# Allegro board reComputer J401_V1.0.brd (continued)
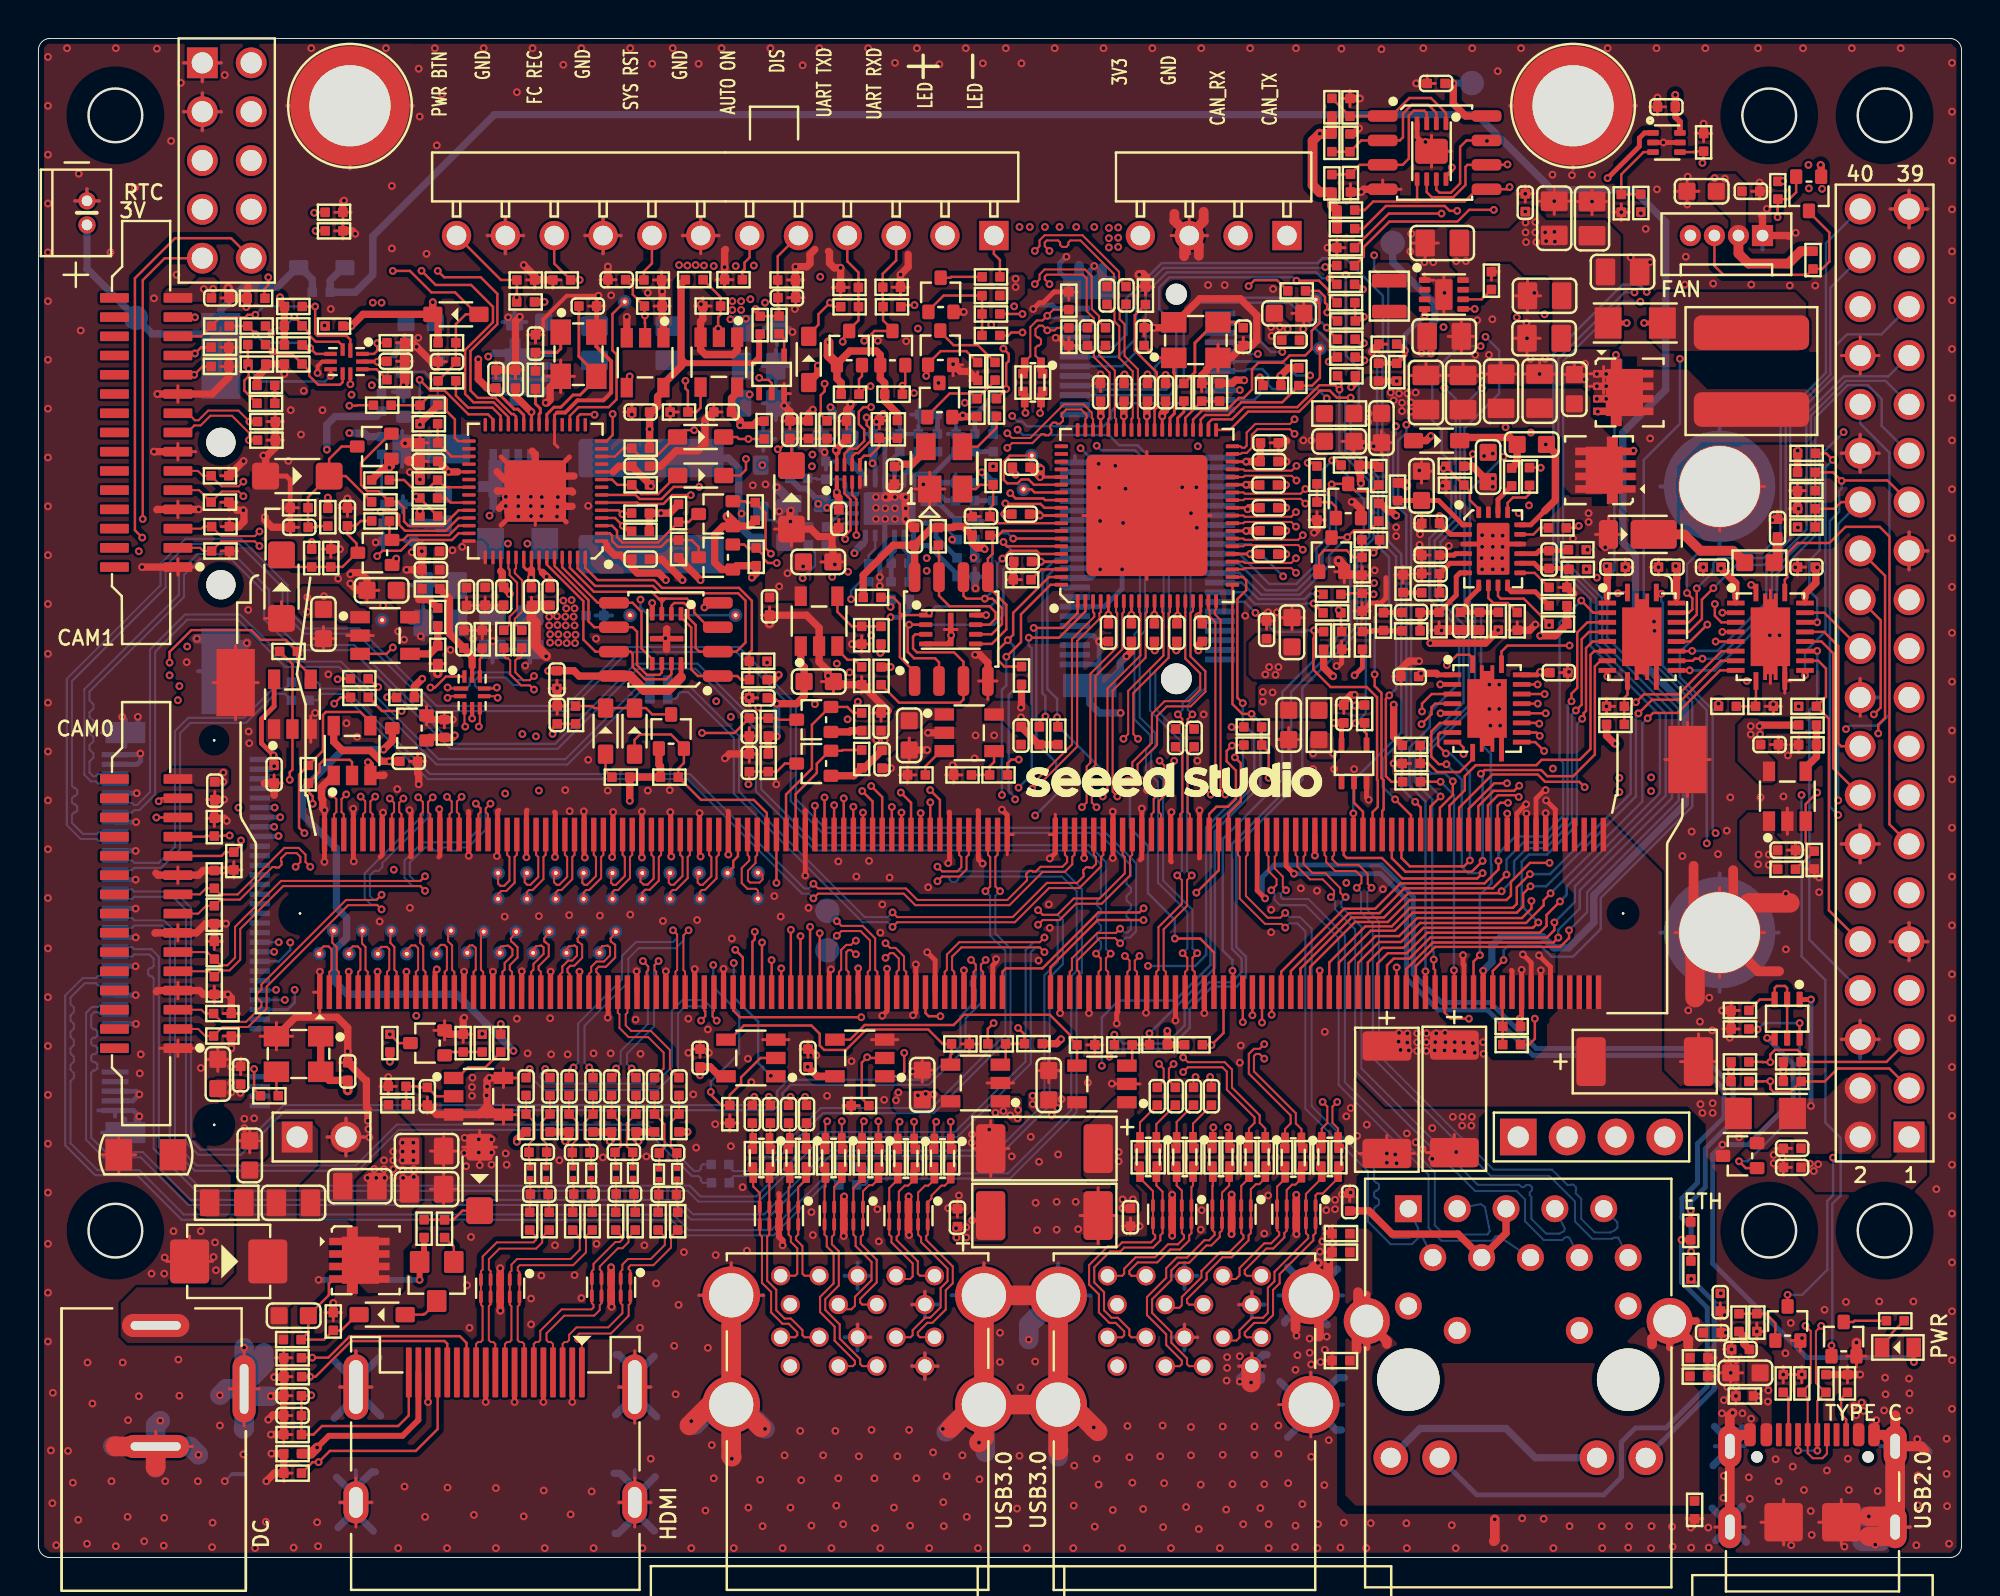
[diagram p0: board, top side]
## Routing (per net, layer and track width the routed paths; a pad name or vN(x,y) marks a point on that pad's centre or on a via; arc(x,y) is an arc through that point) (continued)
VBUS_A_EN: length 14.8
  TOP w0.127: U14.4 47.43,26.14 47.48,26.19 R74.1 47.02,26.71 46.27,27.46 43.06,27.46 41.99,26.4 40.85,26.4 40.63,26.63 40.63,27.24 40.19,27.67 36.68,27.67 35.94,26.93 U17.4
VBUS_B_EN: length 14.9
  TOP w0.127: U12.4 42.2,26.93 42.96,27.69 47.59,27.69 48.12,28.23 52.59,28.23 53.64,27.18 53.64,27.03 R70.1 54.01,26.22 54.01,26.22 U13.4
VBUSDET: length 2.8
  TOP w0.127: U28.43 59.64,59.27 60.5,60.14 ; R179.2 60.5,60.14 ; 60.5,60.14 R178.2
VCC1_5V_DC1: length 20.4
  LAY3 w0.381: v1(48.63,52) 48.63,52.94 48.88,53.19 48.88,55.75 49.05,55.92 v1(49.05,56.44)
  LAY4 w0.381: v1(49.05,56.44) 48.97,56.36 43.92,56.36 v1(43.37,56.9) 42.85,56.9 42.16,56.22 39.94,56.22 39.35,56.81 v1(37.64,56.81)
  BOTTOM w0.254: v1(43.37,56.9) 43.51,56.76 U9.2
  BOTTOM w0.381: R77.1 49.24,56.28 49.21,56.28 v1(49.05,56.44) ; D56.1 v1(37.64,56.81) ; C26.1 43.39,56.93 v1(43.37,56.9) ; R82.2 48.64,51.98 v1(48.63,52) 48.63,52.87 R35.1
VCC1_5V_DC2: length 22.9
  TOP w0.254: U10.2 73.43,53.21 C123.1
  TOP w0.381: v1(72.38,47.56) 75.24,47.56 R251.1 v1(75.9,48.24) ; v1(72.4,58.33) 72.16,58.08 D58.1 ; C123.1 v1(72.86,54.16) ; R252.2 R198.1 78.87,47.94 v1(78.09,47.94)
  LAY3 w0.381: v1(72.4,58.33) 72.4,55.14 72.86,54.68 v1(72.86,54.16) 72.38,53.68 v1(72.38,47.56)
  LAY4 w0.381: v1(78.09,47.94) 76.2,47.94 v1(75.9,48.24)
VCC2_DC1: length 3.8
  BOTTOM w0.254: 42.71,56.5 43.01,56.2 U9.1
  BOTTOM w0.381: 42.71,56.5 42.2,57 C183.1 42.2,59.41 R66.2
VCC2_DC2: length 4.1
  TOP w0.254: U10.1 74.07,53.71 72.8,54.97 C180.1 71.22,54.97 71.21,54.97 R249.2
VDD_1V05: length 7.7
  TOP w0.305: v1(70.63,61.18) 70.63,61.18 C141.1
  BOTTOM w0.381: v1(72.4,62.62) 72.4,63.14 72.48,63.22 72.48,64.17 72.61,64.29 72.61,65.18 70.42,67.37 TP42.1
  vias: v1(69.18,59.49) v1(69.15,59.06) v1(71.92,62.64)
VDD_1V05_FB: length 5
  TOP w0.254: U38.4 v1(72.08,64.6) ; C141.2 69.68,62.11 R194.2 71.06,62.53 v1(71.06,62.77) 71.06,62.8 70.75,63.1 R199.1
  BOTTOM w0.254: v1(72.08,64.6) 71.06,63.57 v1(71.06,62.77)
VDD_1V05_HUB: length 18.9
  TOP w0.152: U28.67 v1(52.08,54.19) ; v1(56.44,59.35) U28.51 ; v1(55.64,49.03) U28.5 ; v1(62.8,53.39) U28.27 ; v1(62.88,54.52) 62.8,54.59 U28.30 ; v1(62.8,55.79) U28.33 ; U28.11 58.04,49.04 v1(58.03,49.03) ; v1(57.64,59.35) U28.48 ; U28.14 v1(59.24,48.98) ; U28.8 v1(56.84,49.03) ; v1(62.8,56.99) U28.36 ; v1(55.24,59.35) U28.54
  TOP w0.381: v1(52.08,54.19) 52.01,54.26 C114.1 ; C120.1 63.49,55.79 62.8,55.79 v1(62.8,55.79) ; C115.1 62.95,54.59 v1(62.88,54.52) ; v1(55.64,49.03) 55.64,49.03 C81.1 ; C137.1 55.24,60.13 v1(55.24,59.35) 55.24,59.35 ; v1(58.03,49.03) C83.1 ; v1(56.84,49.03) 56.83,49.03 C82.1 ; C109.1 62.81,53.4 v1(62.8,53.39) ; 57.64,59.35 v1(57.64,59.35) 57.64,60.11 C139.1 ; v1(59.24,48.98) 59.2,48.94 C84.1 ; v1(62.8,56.99) 62.8,57 C126.1 63.55,57.01 C127.1 ; C138.1 56.44,60.13 v1(56.44,59.35) 56.44,59.35
  LAY4 w0.381: v1(55.24,59.35) v1(56.44,59.35)
  vias: v1(65.77,58.1) v1(66.2,58.1)
VDD_1V8: length 144
  TOP w0.203: v1(73.49,72.3) 73.49,72.14 73.19,71.84 U41.8 ; U30.1 v1(41.51,55.4)
  TOP w0.254: 72.72,45.94 72.76,45.91 U19.2 ; 81.58,49.94 U37.2 ; 88.26,49.94 U21.2 ; U16.5 67.76,43.29 C74.2
  TOP w0.305: C196.2 85.12,74.91 85.35,74.67 U11.6
  TOP w0.381: C111.2 41.62,55.13 41.51,55.23 v1(41.51,55.4) ; R159.1 81.54,42.74 81.95,42.32 v1(82,42.32) ; 81.58,49.94 81.58,50.92 81.59,50.94 C90.2 v1(81.54,51.56) ; v1(70.47,44.36) 70.47,42.69 R96.1 ; R104.1 89.55,43.29 v1(89.5,43.24) ; v1(90.72,71.58) 90.7,71.57 R218.1 ; R108.1 19.55,45.29 v1(19.96,45.7) ; R167.1 44.66,59.5 44,60.16 R176.1 44,61.08 43.77,61.31 Q28.1 43.77,62.54 43.57,62.75 42.19,62.75 41.52,62.07 ; Q33.1 92.7,72.39 v1(92.67,72.42) ; C77.2 71.77,45.86 v1(71.89,45.98) 72.68,45.98 72.72,45.94 ; C74.2 v1(67.36,43.41) ; C168.1 v1(73.58,76.66) 73.57,76.66 73.57,75.61 74.21,74.97 U40.8 ; R110.1 v1(87.36,44.41) ; v1(37.1,50.96) 37.32,51.19 R132.1 36.3,51.58 Q18.1 35.53,51.38 35.17,51.75 35.17,53.19 35.6,53.63 Q21.1 36.97,53.63 R141.1 ; v1(87.49,51.44) 88.26,50.67 88.26,49.94 ; R10.1 v1(18.27,25.79) ; C196.2 v1(85.12,76.07) ; v1(67.32,45.83) 67.29,45.86 67.27,45.86 66.83,46.3 R124.1 ; Q27.1 41.52,61.31 41.74,61.09 R175.1
  TOP w0.508: Q21.1 36.11,53.85 v1(35.83,54.13) ; Q27.1 41.52,62.07 41.08,62.51 v1(41.08,63.2) ; R234.1 R236.1 67.26,70.34 R239.1 66.63,71 66.26,71.37 66.26,73.68 v1(66.63,74.05) 66.64,74.03 R241.1 R244.1
  LAY3 w0.381: v1(7.73,47.38) 10.15,44.97 10.15,40.52 11.14,39.53 11.14,36.61 12.66,35.08 14.29,35.08 16.34,33.03 16.34,32.21 16.7,31.86 16.7,26.84 17.75,25.79 v1(18.27,25.79)
  LAY3 w0.508: v1(50.81,66.07) 42.94,66.07 41.08,64.22 v1(41.08,63.2) 40.71,63.2 39.62,62.11 39.62,56.46 40.09,55.99 40.93,55.99 v1(41.51,55.4) ; v1(35.24,44.53) 35.5,44.79 35.5,49.49 36.97,50.96 v1(37.1,50.96)
  LAY4 w0.381: 19.98,46.59 19.96,46.57 19.96,46.16 ; 19.96,46.16 20.38,46.59 ; 19.96,46.16 19.96,46.15 ; 19.96,46.15 v1(19.96,45.7) ; 19.96,46.15 19.52,46.59
  LAY4 w0.508: v1(35.24,44.53) 25.41,44.53 23.35,46.59 8.52,46.59 v1(7.73,47.38) ; v1(41.51,55.4) 39.2,55.4 38.85,55.05 36.25,55.05 35.83,54.63 v1(35.83,54.13)
  BOTTOM w0.381: v1(73.58,76.66) 73.59,76.68 TP30.1
  vias: v1(50.81,66.5) v1(82.21,40.55) v1(82.21,39.81) v1(83.86,40.57) v1(83.86,39.86) v1(89.04,43.24) v1(89.04,42.81) v1(89.52,42.81) v1(92.04,72.42) v1(92.06,71.2) v1(92.75,71.18)
VDD_1V8_FB: length 2.7
  TOP w0.381: R98.1 92.45,41.64 91.89,41.08 U15.4 ; R98.1 92.45,42.28 ; R98.1 R104.2
VDD_3V3_HDMI: length 45.3
  TOP w0.381: v1(30.75,39.35) R83.1 R84.1 32.34,41.15 32.26,41.23 Q15.1 ; v1(21.65,42.76) 21.55,42.65 R101.1 20.34,42.65 Q16.1 ; Q17.1 42.18,42.94 42.24,43 R105.1 ; v1(43.78,47.05) 43.81,47.09 R123.1 ; Q14.1 42.4,40.66 R93.1 42.96,41.07 C63.1
  LAY3 w0.381: v1(21.65,42.76) 21.65,41.8 23.72,39.73 v1(24.27,39.73) ; v1(43.78,47.05) 43.78,46.53 43.57,46.32 v1(43.57,42.53)
  LAY4 w0.381: v1(24.27,39.73) 24.65,39.35 31.03,39.35 ; v1(30.75,39.35) 31.02,39.35 31.03,39.35 ; 31.03,39.35 36.31,39.35 37.6,38.06 42.99,38.06 43.81,38.88 43.81,41.44 44,41.64 v1(44,42.5) 43.6,42.5 v1(43.57,42.53)
VDD_3V3_HUB: length 10.1
  TOP w0.152: v1(60.31,48.95) 60.31,49.05 60.44,49.18 U28.17 ; U28.73 v1(52.13,51.79) ; U28.62 v1(52.08,56.19) ; v1(58.44,59.35) U28.46 ; v1(63,52.19) U28.24
  TOP w0.381: v1(52.13,51.79) 52.12,51.8 C102.1 ; R179.1 62.08,61.06 62.25,61.23 62.69,61.23 v1(62.7,61.22) ; v1(63,52.19) 63.01,52.18 C103.1 ; C140.1 58.61,59.67 58.44,59.5 v1(58.44,59.35) 58.44,59.35 ; C85.1 60.52,48.75 v1(60.31,48.95) ; C124.1 52.06,56.7 v1(52.13,56.62) 52.13,56.24 v1(52.08,56.19) 52.07,56.19 C124.1
  vias: v1(60.29,57.79) v1(63.66,45.02) v1(63.66,44.51) v1(64.17,44.99)
VDD_3V3_SYS: length 203.8
  TOP w0.152: 41.51,57.49 U30.8
  TOP w0.203: v1(17.63,62.19) 17.62,62.2 U36.9
  TOP w0.254: v1(12.23,41.71) 11.59,42.35 11.59,43.61 12.26,44.27 U44.5 ; 91.86,49.94 U21.19 ; R191.1 68.85,46.29 v1(68.44,45.88) ; U37.19 85.18,49.94 ; U19.19 77.94,45.91 v1(78.09,46.06) ; U25.8 v1(49.28,49.01) ; R161.2 v1(82.59,64.2)
  TOP w0.381: 85.18,49.94 85.18,50.92 85.19,50.94 85.19,51.51 v1(85.14,51.56) ; R127.1 42.89,51.08 44.45,52.64 C108.1 ; R151.1 v1(49.64,56.75) ; v1(78.09,46.06) 78.13,46.02 C78.1 ; R181.1 11.36,61.37 11.82,61.83 R192.1 ; v1(34.4,25.08) C197.2 34.93,25.52 35.42,25.03 U17.5 ; R56.1 v1(88.02,25.28) R67.1 ; R72.1 59.59,26.67 R73.1 v1(58.7,27.39) ; R106.1 68.54,44.33 68.52,44.3 v1(68.47,44.3) ; v1(51.09,44.2) 51.12,44.23 R115.1 ; v1(92.49,51.49) 92.42,51.42 92.42,50.69 91.86,50.12 91.86,49.94 ; C108.1 46.48,53.57 R134.1 47.56,53.57 47.62,53.62 48.09,53.62 R135.1 48.55,52.76 48.81,52.51 49.14,52.51 v1(49.2,52.45) ; C108.1 45.56,52.64 U26.8 ; C129.1 42.03,58.16 v1(41.46,57.59) 41.51,57.53 41.51,57.49 ; v1(70.6,54.19) 70.57,54.19 70.36,54.4 70.21,54.4 69.78,54.83 R142.1 ; C206.1 v1(18.25,41.41) 17.82,41.41 17.26,41.97 15.81,41.97 15.35,42.42 U45.5 ; R192.1 11.83,62.07 R193.1 v1(12.79,61.55) ; R192.1 11.82,62.06 ; R152.1 69.59,56.81 R153.1 68.67,56.42 68.74,56.35 68.74,55.99 68.77,55.96 v1(68.77,55.86) ; R188.1 68.48,61.08 v1(68.26,60.87) ; v1(53.17,26.96) 52.94,26.72 R78.1 ; C198.2 v1(40,25.52) 40.49,25.03 U12.5 ; R139.1 v1(91.49,53.57) ; v1(40.53,61.98) 40.53,61.58 D38.1 ; C146.1 17.74,62.21 17.72,62.19 v1(17.63,62.19) ; R100.1 R99.1 52.03,42.28 C67.1 ; R154.1 91.47,57.41 R169.1 v1(91.48,57.56) ; R182.1 64.61,61.35 64.58,61.37 v1(64.58,61.45) 65,61.87 R187.1 ; R113.1 v1(44.31,46.31) ; OSC1.1 OSC1.4 15.12,24.81 C47.1 ; v1(12.23,41.71) 12.23,41.18 v1(12.25,41.16) ; v1(12.56,65.54) 12.56,65.29 R220.1 12.79,65.06 R210.1 R196.1 ; C7.1 v1(87.48,13.74) ; C121.1 44.73,56.74 v1(44.87,56.88) 44.89,56.86 45.43,56.86 46.15,57.58 U31.4
  TOP w0.508: C47.1 v1(16.08,24.29)
  LAY3 w0.254: v1(80.49,51.4) 80.07,51.82 80.07,52.59 81.17,53.68 81.17,57.94 82.84,59.62 82.84,63.94 82.59,64.19 v1(82.59,64.2)
  LAY3 w0.381: v1(44.87,56.88) 44.16,57.59 v1(41.46,57.59) 41.46,58.75 41.69,58.99 41.69,60.99 41.07,61.62 40.89,61.62 v1(40.53,61.98)
  LAY4 w0.381: v1(92.54,20.45) 92.9,20.1 92.9,14.43 91.6,13.14 90,13.14 89.4,13.74 v1(87.48,13.74) 87.48,13.72 87.13,13.37 87.13,8.77 85.08,6.71 82.56,6.71 J6.17 ; v1(44.87,56.88) 45.39,56.88 45.41,56.85 48.54,56.85 48.8,57.12 49.27,57.12 v1(49.64,56.75) ; v1(78.09,46.06) 78.67,46.64 84.34,46.64 85.39,45.59 v1(88.84,45.59) ; v1(92.49,51.49) 91.84,50.84 90.63,50.84 90.31,51.16 88.66,51.16 88.44,50.95 85.75,50.95 v1(85.14,51.56) ; v1(88.02,25.28) 87.5,25.28 85.31,27.46 73.82,27.46 73.29,28 65.37,28 64.67,27.3 59.31,27.3 59.22,27.39 v1(58.7,27.39) 58.41,27.68 58.41,28.25 57.81,28.85 57.38,28.85 57.36,28.83 54.41,28.83 54.4,28.82 54.37,28.82 53.17,27.62 v1(53.17,26.96)
  PWR05 w0.381: 56.1,67.44 56.1,67.55 J16.4
  PWR05 w0.508: 58.2,67.8 58.2,67.85 J16.4
  PWR05 w0.533: 56.36,68.75 J16.4 ; J16.4 57.3,67.81 ; J16.4 58.24,68.75 ; 96.29,42.19 J10.17 ; J10.17 97.27,43.17 ; J10.17 97.27,41.21 ; J10.17 98.25,42.19
  BOTTOM w0.254: J18.2 12.02,41.5 v1(12.23,41.71) 12.23,41.18 v1(12.25,41.16) 12.1,41 J18.4 ; J18.16 v1(12.25,38) ; J18.12 v1(12.28,39) ; v1(12.48,37.52) 12.46,37.5 J18.18 ; J18.14 v1(12.57,38.5)
  BOTTOM w0.381: J6.15 71.84,6.71 76.31,6.71 77.84,5.19 J6.17 ; R262.1 17.14,58.29 16.95,58.48 v1(16.17,58.48)
  vias: v1(8.6,65.97) v1(9.08,65.97) v1(9.61,40.83) v1(9.61,40.34) v1(10.02,24.67) v1(10.02,24.19) v1(10.5,24.16) v1(13.79,60.67) v1(17.39,65.26) v1(17.84,65.26) v1(51.02,69.2) v1(51.09,43.7) v1(51.55,69.2) v1(52.34,69.2) v1(53.1,69.2) v1(53.96,69.2) v1(54.9,69.2) v1(55.66,69.15) v1(55.66,68.61) v1(55.66,68.13) v1(56.15,69.17) v1(56.15,68.64) v1(56.15,68.16) v1(63.79,45.93) v1(63.99,46.31) v1(64.1,63.99) v1(64.12,63.53) v1(64.33,45.9) v1(64.48,46.31) v1(64.55,63.99) v1(64.96,63.89) v1(66.28,41.82) v1(67.32,41.82) v1(73.72,67.42) v1(74.23,67.42) v1(77.31,70) v1(77.33,69.43) v1(77.33,68.92) v1(77.36,68.41) v1(77.84,69.45) v1(77.84,68.92) v1(77.89,68.41) v1(78.35,68.92) v1(78.4,68.46) v1(78.83,68.94) v1(78.85,68.43) v1(89.45,36.56) v1(89.42,36.05) v1(89.98,36.56) v1(89.98,36.02) v1(91.53,44.27) v1(92.11,20.48) v1(92.32,20.1)
VDD_5V0_HDMI_CON: length 78.4
  TOP w0.305: v1(14.49,5.72) 15.1,6.33 18.94,6.33 19.76,7.15 J5.18
  TOP w0.381: v1(38.39,42.7) 37.97,42.7 R102.1 R91.1 ; U27.1 39.64,46.49 39.81,46.32 C76.1 39.81,44.79 39.43,44.41 v1(38.39,44.41) 38.09,44.71 C75.1
  TOP w0.508: D2.2 14.17,5.4 v1(14.49,5.72)
  LAY3 w0.508: v1(14.49,5.72) 13.91,5.72 13.18,6.45 13.18,10.77 12.57,11.38 12.57,14.57 13.8,15.79 18.22,15.79 20.71,18.29 20.71,26.73 21.31,27.33 21.31,31.69 20.81,32.19 20.81,33.03 21.58,33.79 21.58,36.56 22.11,37.09 24.75,37.09 25.41,37.75 25.41,42.25 v1(25.87,42.71)
  LAY4 w0.508: v1(38.39,42.7) 37.88,42.2 26.38,42.2 v1(25.87,42.71)
  BOTTOM w0.381: v1(38.39,44.41) v1(38.39,42.7)
VDD_5V_GPIO: length 6.1
  TOP w0.254: Q11.1 v1(92.17,29.02)
  BOTTOM w0.254: v1(92.17,29.02) v1(92.17,23.48)
VDD_5V_SYS: length 80.6
  TOP w0.254: v1(97.52,10.17) 97.52,10.17 LED1.1 ; v1(81.6,71.74) 83.25,73.39 83.25,73.82 83.52,74.09 U11.1 ; Q11.4 v1(89.89,27.02)
  TOP w0.381: R224.1 v1(26.31,65.3) ; U35.5 36.33,60.59 36.04,60.29 C136.1 36.49,59.13 v1(36.49,58.88) 37.17,58.88 37.38,59.1 R163.1 ; R140.1 v1(15.05,55.12)
  TOP w0.508: R235.1 91.64,67.94 90.99,67.29 88.93,67.29 88.4,67.82 J13.2 ; v1(71.13,55.76) 71,55.89 R249.1
  LAY4 w0.254: 24.44,52.73 v1(24.41,52.73) 24.41,52.72 24.7,52.43 24.7,52 25.13,51.57 28.69,51.57 29.43,50.83 29.43,48.5 30.21,47.71 31.56,47.71 32.12,48.27 34.48,48.27 35.06,47.68 39.23,47.68 40.53,48.98 43.78,48.98 43.85,48.9 v1(44.31,48.9)
  PWR05 w0.406: 46.2,68.75 J15.2 ; J15.2 48.08,68.75 ; J15.2 47.14,67.81 ; J15.2 47.14,69.69 ; 88.4,68.02 J13.2 88.4,69.48
  BOTTOM w0.254: R26.1 48.42,60.05 v1(48.17,60.05) ; R37.1 45.27,49.26 44.92,48.9 v1(44.31,48.9) ; R23.2 v1(24.41,52.73) ; v1(89.89,27.02) 91.25,25.66 91.25,23.81 88.91,21.47 v1(87.57,21.47) 87.06,20.96 87.06,15.3 91.96,10.4 97.29,10.4 v1(97.52,10.17)
  BOTTOM w0.381: R255.1 17.57,59.34 15.43,59.34 15,58.91 v1(15,57.61) ; R66.1 41.28,59.73 v1(41.19,59.82)
  vias: v1(13.98,49.94) v1(13.98,49.18) v1(14.85,49.99) v1(26.56,48.93) v1(26.56,48.47) v1(26.61,48.01) v1(26.61,47.58) v1(26.96,48.95) v1(26.99,48.5) v1(27.04,48.01) v1(27.04,47.58) v1(27.29,49.77) v1(27.39,48.93) v1(27.44,49.36) v1(27.42,48.47) v1(27.49,47.99) v1(27.47,47.56) v1(27.72,49.79) v1(27.88,49.36) v1(27.83,48.93) v1(27.88,48.47) v1(27.9,47.56) v1(27.93,47.99) v1(38.52,50.5) v1(38.95,51.19) v1(39.76,51.54) v1(44.59,23.78) v1(44.72,24.19) v1(45.73,24.04) v1(46.14,24.11) v1(46.54,24.09) v1(51.7,24.01) v1(51.7,23.58) v1(52.69,22.99) v1(53,23.38) v1(53.2,23.83) v1(70.75,27.29) v1(70.73,26.83) v1(70.83,26.4) v1(71.18,27.26) v1(71.18,26.78) v1(71.26,26.37) v1(71.69,27.26) v1(71.69,26.8) v1(71.69,26.35) v1(72.17,27.26) v1(72.17,26.8) v1(72.17,26.35) v1(72.61,26.37) v1(72.68,27.26) v1(72.63,26.8) v1(73.11,26.37) v1(73.14,27.29) v1(73.16,26.8) v1(73.65,26.8) v1(73.65,26.35) v1(74.1,26.78) v1(74.15,26.3) v1(74.59,26.75) v1(74.69,26.25) v1(75.12,26.8) v1(75.15,26.19) v1(86.42,23.58) v1(86.52,23.12) v1(87.06,23.63) v1(87.06,23.12) v1(87.16,71.74) v1(87.69,71.71) v1(88.43,21.85)
VDD_DCIN: length 28.7
  TOP w0.381: Q26.2 47.98,59.31 v1(48.07,59.39) 48.13,59.33 R171.2 ; R149.1 74.58,56.75 C118.1 ; R130.1 v1(14.21,52.81)
  LAY4 w0.381: v1(14.21,52.81) 14.21,52.79 13.42,52 10.96,52 10.63,52.33 v1(5.22,52.33) ; v1(36.98,60.48) 37.5,60.48 37.53,60.51 41.36,60.51 41.67,60.81 42.48,60.81 42.91,60.38 44,60.38 45,59.39 v1(48.07,59.39)
  BOTTOM w0.254: 41.72,54.8 U9.19
  BOTTOM w0.305: R13.1 39.6,55.6 39.79,55.6 39.93,55.6 40.55,54.97 v1(40.55,54.8)
  BOTTOM w0.381: 40.78,54.8 40.99,54.59 v1(41.01,54.59)
  BOTTOM w0.508: 41.72,54.8 40.78,54.8 C23.1
  vias: v1(17.11,19.74) v1(17.46,20.2) v1(17.56,19.74) v1(17.97,20.66) v1(17.97,20.2) v1(18,19.74) v1(18.45,21.11) v1(18.45,20.66) v1(18.45,20.2) v1(18.45,19.77) v1(18.94,21.57) v1(18.94,21.11) v1(18.94,20.66) v1(18.94,20.17) v1(18.96,19.74) v1(19.49,21.57) v1(19.5,21.11) v1(19.49,20.66) v1(19.52,20.2) v1(19.52,19.79) v1(33.31,67.22) v1(33.74,67.19) v1(34.18,67.22) v1(34.61,67.19) v1(35.11,67.16) v1(35.98,64.4) v1(36.08,65.34) v1(36.08,64.88) v1(36.26,67.16) v1(36.54,65.34) v1(36.54,64.88) v1(36.79,64.42) v1(37.02,65.44) v1(37.2,67.19) v1(70.32,60.59) v1(70.47,60.18) v1(70.75,60.54) v1(70.9,60.05) v1(70.9,59.62) v1(71.18,60.54) v1(71.36,60.08) v1(71.36,59.6) v1(71.61,60.59) v1(75.63,56.12) v1(75.63,55.68)
VDD_VBUS_A: length 5.4
  LAY4 w0.381: J4.10 39.09,13.84 ; J4.10 38.42,13.16 ; J4.10 39.09,12.48 ; J4.10 39.77,13.16 ; 39.09,9.28 J4.1 ; J4.1 39.77,9.96 ; J4.1 39.09,10.64 ; J4.1 38.42,9.96
  vias: v1(47.71,17.13) v1(47.74,16.64) v1(48.25,17.18) v1(48.25,16.64) v1(48.55,17.53) v1(49.76,23.13) v1(50.18,23.22) v1(50.53,22.99) v1(50.91,22.84) v1(50.94,23.27)
VDD_VBUS_B: length 5.4
  LAY4 w0.508: J3.1 56.09,10.63 ; J3.1 55.41,9.95 ; J3.1 56.09,9.27 ; J3.1 56.77,9.95 ; J3.10 56.77,13.15 ; J3.10 55.41,13.15 ; J3.10 56.09,12.47 ; J3.10 56.09,13.83
  vias: v1(56.17,21.09) v1(56.17,20.61) v1(56.37,18.63) v1(56.37,18.17) v1(56.91,18.63)
ADC0: length 9.6
  TOP w0.127: D33.2 14.02,55.14 R144.1 14.02,54.03 14.02,54.02 C110.1 14.47,53.58 14.53,53.64 R140.2 ; D33.2 15.98,56.24 R147.2 ; D33.2 15.12,57.13 15.76,57.78 Q23.3
ADC2: length 7.5
  TOP w0.127: 16.54,52.25 Q20.3 ; 16.54,52.25 15.81,51.52 R131.1 R130.2 13.26,51.52 D23.2 ; 16.54,52.25 16.54,52.73 16.07,53.21 C112.1 16.51,53.65 16.76,53.91 R137.2
AUTO_ON_DIS: length 2.4
  TOP w0.127: J15.6 36.98,67.61 36.72,67.34 36.72,67.01 36.61,66.9 R229.1
BBAT: length 128
  TOP w0.254: v1(75.12,30.51) J11.235
  BOTTOM w0.381: D51.2 15.84,67.08 15.17,66.41 R254.1 16.48,65.81 17.39,66.71 17.39,68.71 23.71,75.04 74.79,75.04 78.7,71.13 82.94,71.13 84.62,69.45 84.62,60.74 82.38,58.5 82.38,52.79 83.04,52.13 83.04,46.9 85.64,44.3 85.64,39.21 80.89,34.45 80.89,33.03 79.56,31.71 78.8,31.71 78.22,32.29 76.06,32.29 75.58,31.81 75.58,30.97 v1(75.12,30.51)
BBAT_CONN: length 20
  BOTTOM w0.381: R254.2 14.24,66.47 13.64,67.08 D51.1 13.44,67.08 12.42,66.06 10.65,66.06 9.49,64.9 9.49,62.82 ; 9.49,62.82 8.67,63.63 5.9,63.63 TP40.1 2.52,67.02 J14.2 ; 9.49,62.82 J19.2
BD_DISABLE: length 5.5
  TOP w0.127: R80.1 89.51,29.02 Q11.3 90.28,29.61 90.39,29.73 90.82,29.73 90.93,29.62 Q11.2 Q11.5
BG1: length 1.6
  BOTTOM w0.127: R38.1 43.17,52.12 43.51,52.46 U9.15
BG2: length 1.6
  TOP w0.127: R245.1 78.08,53.55 77.74,53.21 U10.15
BG_DC1: length 26
  LAY4 w0.127: v1(23.46,54.19) 23.46,54.16 24.42,53.19 28.69,53.19 30.35,51.54 30.35,48.83 30.59,48.59 31.09,48.59 31.69,49.18 33.57,49.18 34.2,49.82 35.04,49.82 35.32,49.54 39.64,49.54 39.94,49.84 v1(42.26,49.84)
  BOTTOM w0.127: v1(23.46,54.19) 23.65,54.38 Q6.4 ; R38.2 42.73,50.75 42.26,50.28 v1(42.26,49.84)
BG_DC2: length 7.1
  TOP w0.127: R245.2 80,53.55 v1(80.1,53.65)
  LAY3 w0.127: v1(80.1,53.65) 80.1,58.61 v1(81.09,59.6)
BMCU_ACOK: length 18
  TOP w0.127: v1(37.3,64.93) 37.3,64.79 R211.2 37.97,64.56 37.98,64.56 R212.1 38.51,65 38.45,65.06 C159.1 38.45,65.96 38.44,65.97 D49.2 38.44,67.67 J15.5 ; U29.14 29.55,58.06 29.86,58.37 v1(29.86,59.47)
  LAY3 w0.127: v1(29.86,59.47) 31.18,60.79 32.44,60.79 35.03,63.38 36.39,63.38 37.3,64.29 v1(37.3,64.93)
BMCU_PGOOD: length 6.1
  TOP w0.127: R160.1 R168.2 20.32,60.41 21.04,60.41 21.23,60.22 21.23,59.61 21.65,59.19 21.65,58.22 21.82,58.06 U29.29
BMCU_POWER_EN: length 13.1
  TOP w0.127: U29.16 28.03,59.32 28.16,59.45 28.9,59.45 v1(28.92,59.43) ; U35.2 35.38,63.88 v1(35.34,63.91) 35.34,64.51 35.47,64.64 R222.1 35.47,65.54 R228.2
  LAY3 w0.127: v1(35.34,63.91) 34.95,63.91 32.05,61.02 30.5,61.02 v1(28.92,59.43)
BMCU_PWR_BTN*: length 4.7
  TOP w0.127: U29.9 29.83,56.06 30.1,55.78 R150.2 31.33,55.3 32.22,55.3 33.19,56.27 D32.1
BRD_ID_A0: length 7.6
  TOP w0.127: R244.2 68.19,74.95 R243.1 68.64,74.95 68.65,74.97 U40.1 70.35,74.97 71.29,75.9 72.41,75.9 73.19,75.12 U41.1
BRD_ID_A1: length 7.9
  TOP w0.127: U41.2 72.69,75.13 72.28,75.55 71.41,75.55 70.95,75.09 70.95,73.86 70.8,73.7 U40.2 68.79,73.7 R242.1 R241.2
BRD_ID_A2: length 8.2
  TOP w0.127: U41.3 72.19,75.12 72.07,75.24 71.51,75.24 71.26,74.99 71.26,72.75 70.93,72.43 U40.3 68.71,72.43 R240.1 67.72,71.94 67.7,71.92 R239.2
BRD_ID_WP: length 15.5
  TOP w0.127: U41.7 72.69,71.14 72.86,70.97 73.44,70.97 73.93,71.46 73.93,73.36 74.26,73.7 U40.7 ; v1(72.96,69.89) 70.22,69.89 R232.1
  LAY3 w0.127: v1(75.32,73.67) 75.32,72.65 72.96,70.29 v1(72.96,69.89)
BST1: length 1.7
  BOTTOM w0.127: U9.18 41.69,54.3 R14.1
BST2: length 1.7
  TOP w0.254: R157.1 75.9,55.02 U10.18
BT_EN: length 2.6
  TOP w0.127: Q22.1 67.47,54.63 67.22,54.89 R265.1 R264.2
BT_M2_EN: length 38.5
  TOP w0.127: R264.1 66.31,56.93 v1(66,56.93) ; J11.126 v1(45.87,38.72)
  LAY3 w0.127: v1(45.87,38.72) 45.87,39.29 45.25,39.91 45.25,46.51 44.91,46.86 44.91,48.67 45.22,48.98 45.22,51.01 v1(46.19,51.98)
  LAY4 w0.127: v1(66,56.93) 66,56.54 65.85,56.38 64.34,56.38 63.14,55.18 51.73,55.18 50.28,53.73 47.05,53.73 46.2,52.88 46.2,51.99 v1(46.19,51.98)
BT_M2_WAKE_AP: length 46.9
  TOP w0.127: J11.124 45.37,39.25 v1(44.84,39.78) ; R182.2 63.69,60.96 63.69,61.2 v1(63.51,61.37)
  LAY3 w0.127: v1(45.53,60.56) 46.41,59.68 46.41,52.75 44.92,51.26 44.92,49.16 44.68,48.92 44.68,46.6 44.84,46.44 v1(44.84,39.78)
  LAY4 w0.127: v1(45.53,60.56) 46.93,60.56 48.02,61.65 54.32,61.65 54.9,61.07 61.43,61.07 62.01,61.65 63.23,61.65 v1(63.51,61.37)
  BOTTOM w0.127: v1(63.51,61.37) 63.51,60.48 63.23,60.2 J20.20
BUCK_3V3_EN: length 76.6
  TOP w0.127: v1(30.75,61.42) 30.59,61.27 U34.4 ; U29.27 23.64,59.19 23.37,59.45 22.36,59.45 21.12,60.69 20.38,60.69 v1(19.82,61.25) ; U10.20 74.9,54.53 74.43,54.99 74.43,55.46 R174.1 73.56,56.33 73.56,56.38 R149.2 73.17,56.75 v1(73.06,56.65)
  LAY3 w0.127: v1(73.06,56.65) 73.06,58.53 73.51,58.97 73.51,63.55 v1(73.06,63.99)
  LAY4 w0.127: v1(73.06,63.99) 72.67,63.99 72.57,63.89 68.52,63.89 67.91,63.28 65.98,63.28 65.85,63.15 60.2,63.15 59.2,62.15 50.29,62.15 49.64,62.8 40.27,62.8 39.62,62.15 37.13,62.15 36.6,61.62 32.77,61.62 32.68,61.7 31.02,61.7 v1(30.75,61.42) 30.47,61.7 30.16,61.7 28.03,63.84 21.58,63.84 19.82,62.08 v1(19.82,61.25)
  BOTTOM w0.127: v1(19.82,61.25) 19.82,59.6 19.56,59.33 Q9.1
BUCK_3V3_PG: length 119.7
  TOP w0.127: U10.9 75.9,50.01 76.03,49.87 77.24,49.87 R198.2 v1(78.56,48.49) ; R160.2 16.59,59.93 16.56,59.9 v1(16.17,59.9) ; R233.2 91.74,36.16 91.77,36.16 R261.1 91.89,37.18 U15.3 91.89,39.18 v1(92.49,39.78) ; v1(50.18,62.87) 50.46,62.59 50.46,62.22 50.32,62.09 v1(50.32,60.77) R172.1 ; U38.5 v1(74.69,64.93)
  LAY3 w0.127: v1(76.87,64.5) 76.87,61.54 78,60.41 78,57.58 78.56,57.02 78.56,55.08 78.27,54.8 78.27,48.78 v1(78.56,48.49) 78.56,48.1 78.75,47.9 v1(78.75,41.03)
  LAY4 w0.127: v1(78.75,41.03) 87.52,41.03 88.13,40.42 91.86,40.42 v1(92.49,39.78) ; v1(50.18,62.87) 50.63,62.42 59.14,62.42 61.07,64.35 62.19,64.35 62.37,64.52 64.93,64.52 65.13,64.33 68.07,64.33 68.29,64.12 72.17,64.12 72.71,64.65 74.41,64.65 v1(74.69,64.93) 76.44,64.93 v1(76.87,64.5) ; v1(50.32,60.77) 48.13,58.58 37.63,58.58 35.78,60.43 30.54,60.43 27.6,63.38 22.24,63.38 20.59,61.73 20.59,60.94 19.95,60.31 19.16,60.31 18.76,59.9 v1(16.17,59.9)
BUCK_5V_PG: length 65.8
  TOP w0.127: U24.3 18.1,47 v1(18.43,47.33) ; U33.2 38.13,61.08 37.96,61.25 37.58,61.25 v1(37.48,61.35) ; R189.1 48.25,62.74 46.91,62.74 46.26,62.09 Q29.1 46.26,61.55 v1(46.16,61.45)
  LAY3 w0.127: v1(46.16,61.45) 46.16,61.06 46.9,60.32 46.9,53.6 47.23,53.27 47.23,53.22 v1(47.51,52.94) ; v1(17.33,60.97) 17.33,60.57 17.27,60.51 17.27,58.52 17.16,58.4 17.16,48.2 18.03,47.33 v1(18.43,47.33)
  LAY4 w0.127: v1(17.33,60.97) 17.74,60.56 19.82,60.56 20.27,61.01 20.27,61.89 21.98,63.61 27.93,63.61 30.8,60.74 36.47,60.74 37.08,61.35 v1(37.48,61.35) 40.5,61.35 41.16,62.01 45.61,62.01 v1(46.16,61.45)
  BOTTOM w0.127: U9.9 46.71,54.3 47.08,53.93 47.08,53.63 R35.2 v1(47.51,52.94)
BUF_EN: length 2.9
  TOP w0.127: R167.2 R166.1 43.73,57.77 43.26,57.3 42.93,57.3 42.71,57.08 U30.5
CAM0_I2C_SCL: length 12.4
  TOP w0.127: U36.1 16.22,63.34 16.02,63.53 14.52,63.53 14.39,63.66 v1(14.39,65.06) R220.2 ; J12.13 8.46,63.51 R208.2 9.44,64.49 10.74,64.49 10.88,64.63 v1(11.28,64.63)
  BOTTOM w0.127: v1(14.39,65.06) 11.71,65.06 v1(11.28,64.63)
CAM0_I2C_SDA: length 13.1
  TOP w0.127: R173.2 v1(12.29,60.5) 12.29,60.5 R181.2 ; J12.14 8.13,64.51 v1(8.14,64.5) ; U36.7 v1(16.22,61.02)
  LAY4 w0.127: v1(16.22,61.02) 15.42,60.22 12.57,60.22 v1(12.29,60.5) 12.29,61.49 10.12,63.66 9.37,63.66 8.53,64.5 v1(8.14,64.5)
CAM0_MCLK: length 64.4
  TOP w0.127: J11.116 43.37,39.32 v1(42.84,39.86) ; D39.2 8.46,62.94 v1(8.14,62.62) 8.01,62.62 7.9,62.51 J12.12
  LAY3 w0.127: v1(8.14,62.62) 8.39,62.62 8.57,62.44 8.57,60.66 7.76,59.85 7.76,56.24 7.25,55.73 7.25,46.44 8.11,45.57 8.11,40.19 9.31,39 v1(10.4,39)
  LAY4 w0.127: v1(10.4,39) 10.76,39 12.61,40.85 41.85,40.85 v1(42.84,39.86)
CAM0_PWDN: length 39.1
  TOP w0.127: J11.114 v1(42.87,38.74) ; R283.1 13.21,46.46 U44.2 13.21,40.98 13.07,40.84 v1(13.07,40.44)
  LAY4 w0.127: v1(13.07,40.44) 13.46,40.44 13.64,40.62 41.41,40.62 42.87,39.16 v1(42.87,38.74)
CAM0_PWDN_LS: length 27.4
  TOP w0.127: D37.2 8.53,61.95 v1(8.1,61.51) J12.11 ; U44.4 14.16,45.87 13.47,46.56 R283.2 12.87,47.72 11.58,47.72 11.07,48.23 7.95,48.23 6.82,47.1 v1(6.82,46.54)
  LAY3 w0.127: v1(8.1,61.51) 8.1,60.82 7.45,60.18 7.45,56.37 6.62,55.53 6.62,47.14 6.82,46.93 v1(6.82,46.54)
CAM1_I2C_SCL: length 37.2
  TOP w0.127: v1(12.1,63.66) 12.1,63.75 R209.2 ; J9.13 v1(6.13,38.49) ; v1(13.31,64.52) 13.31,64.51 13.71,64.11 R210.2 14.08,63.68 14.08,63.57 14.42,63.23 15.61,63.23 15.82,63.02 U36.2
  LAY3 w0.127: v1(6.13,38.49) 5.83,38.79 5.83,55.71 6.81,56.69 6.81,60.52 6.97,60.69 6.97,62.59 7.8,63.42 8.68,63.42 9.02,63.08 11.52,63.08 v1(12.1,63.66)
  BOTTOM w0.127: v1(12.1,63.66) 12.38,63.94 12.72,63.94 v1(13.31,64.52)
CAM1_I2C_SDA: length 35.5
  TOP w0.127: R197.2 v1(12.17,62.72) 12.3,62.59 13.19,62.59 R193.2 14.08,61.7 14.08,61.45 14.54,60.99 15.68,60.99 15.82,61.13 U36.6 ; v1(6.25,39.33) 6.41,39.49 J9.14
  LAY3 w0.127: v1(12.17,62.72) 9.06,62.72 8.65,63.13 7.91,63.13 7.38,62.59 7.38,60.69 7.12,60.43 7.12,56.53 6.25,55.66 v1(6.25,39.33)
CAM1_MCLK: length 40.7